# Altium PCB NANO33BLE_V2.0.PcbDoc (part 1 of 2)
Units mm, origin at the board's own origin, x right, y up, seen from the top; angles counter-clockwise.
Board outline 43.18 x 17.78 mm, 4 copper layers (Top, PWR, MID, Bottom), stack 0.925 mm thick; 59 components, 65 nets, 329 pads, 151 vias.
Unrouted connection lines stored in the file: 8.
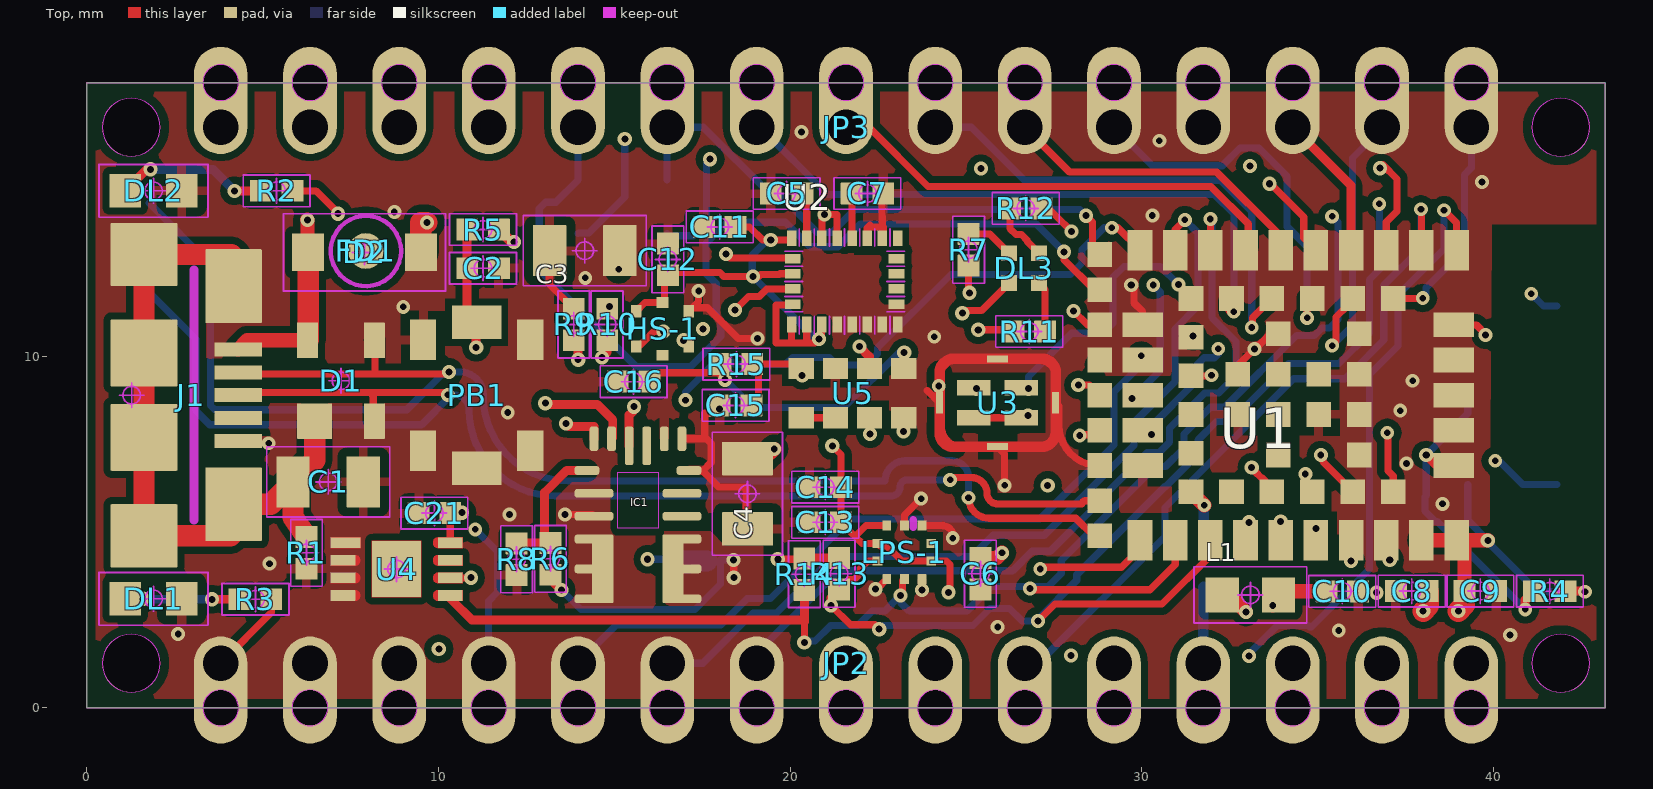
[diagram p0: Top view]
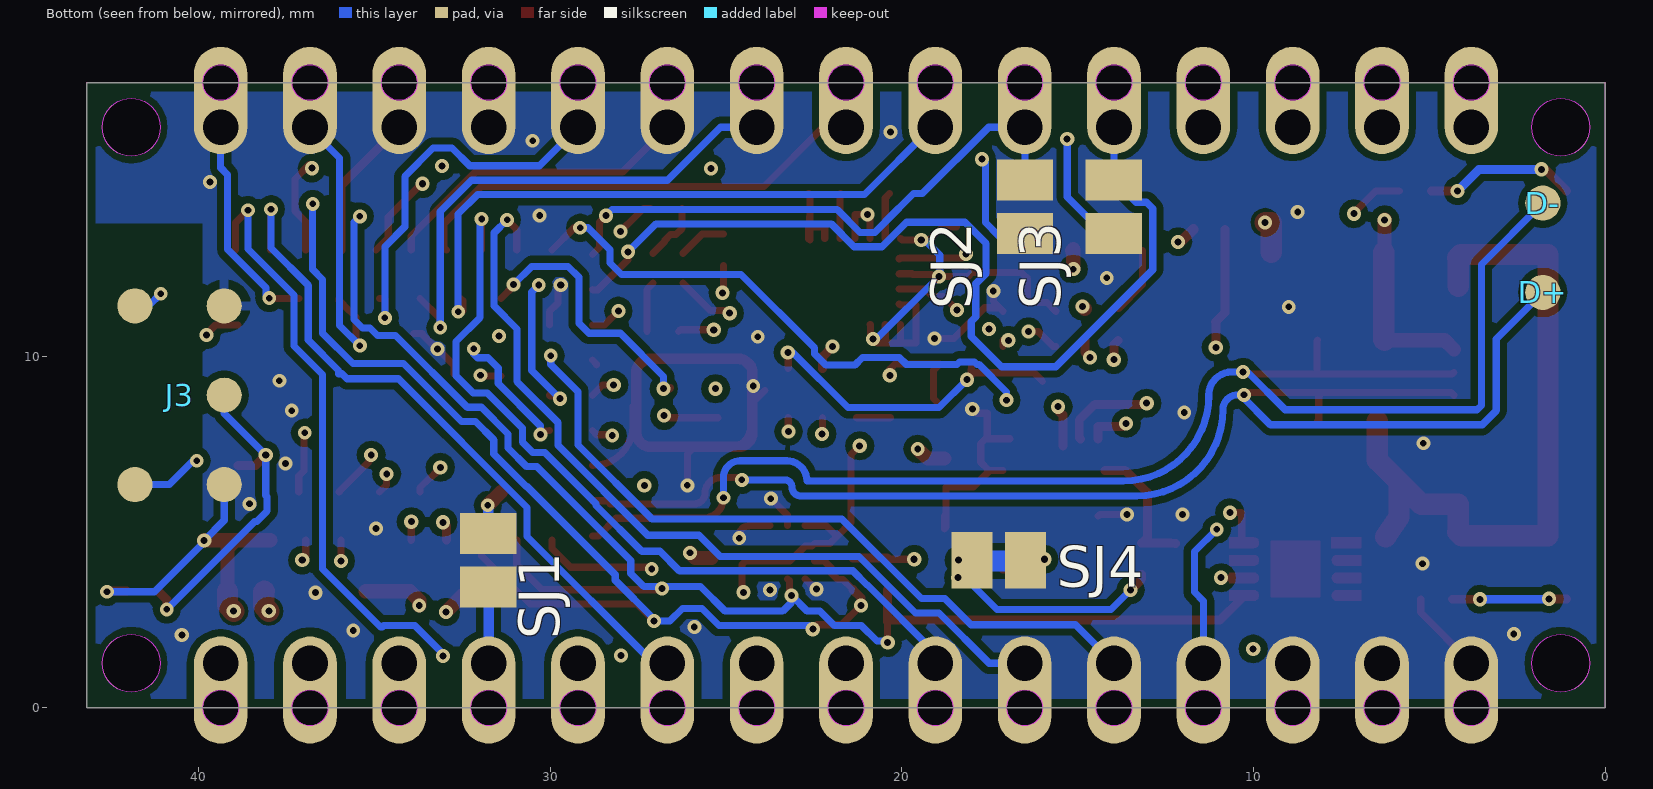
[diagram p1: Bottom view, seen from below]
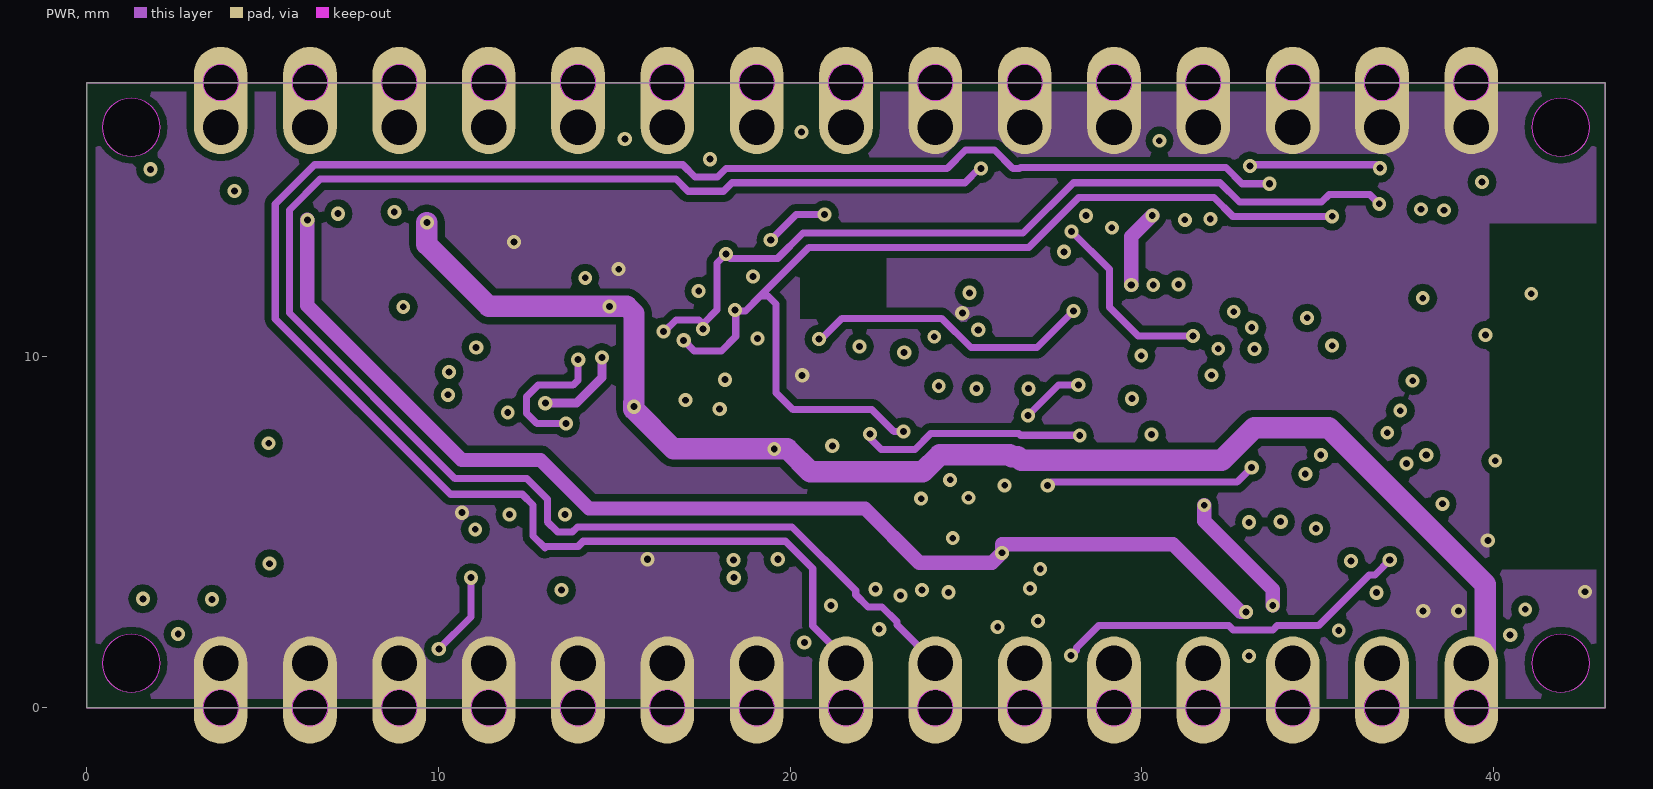
[diagram p2: PWR]
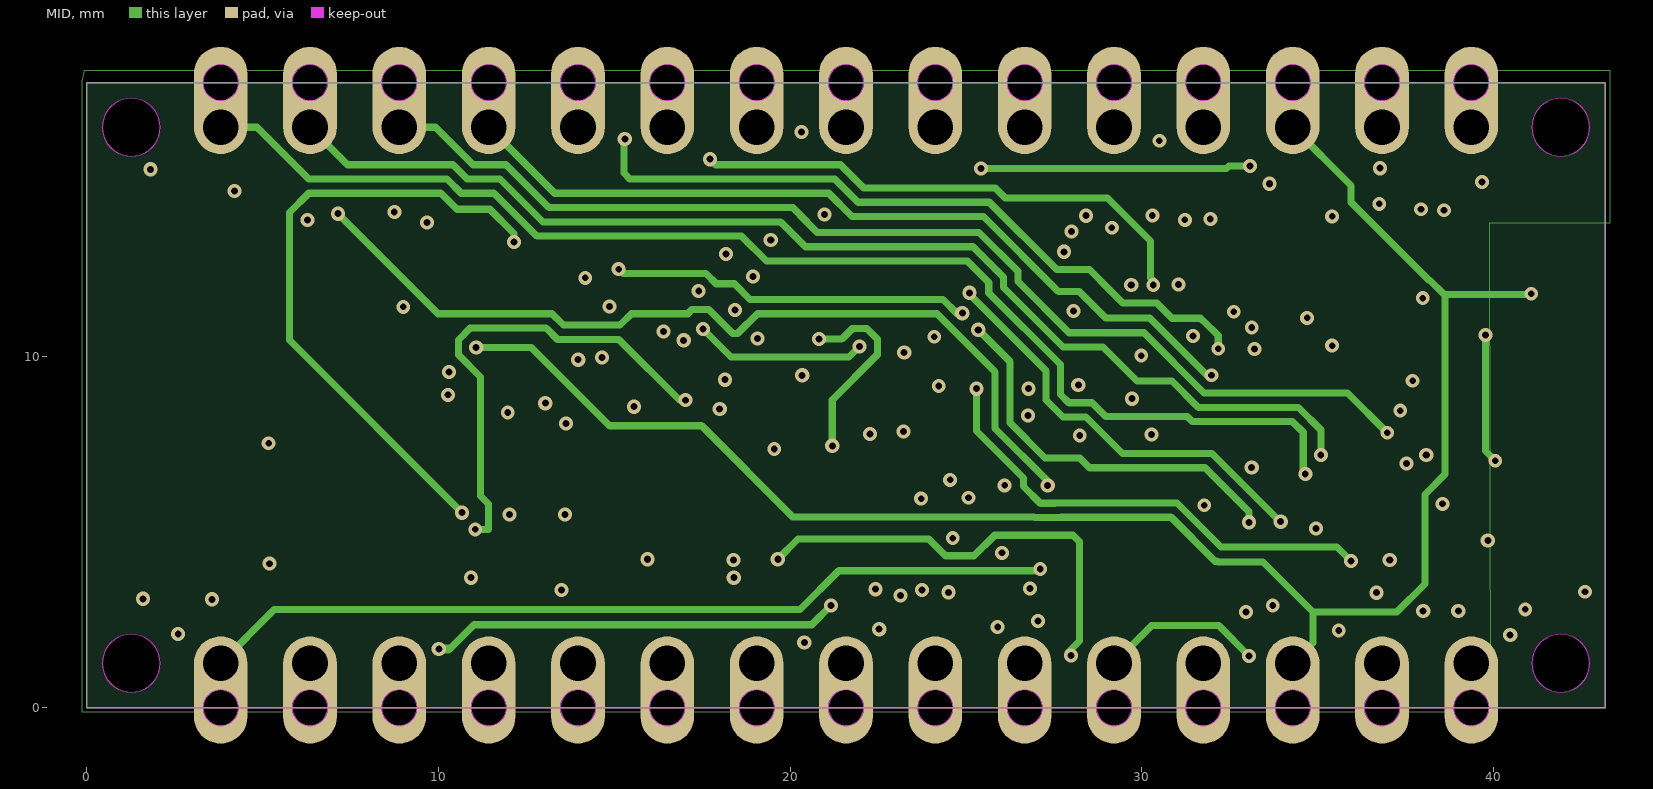
[diagram p3: MID]

## Layer stack, top to bottom
Top Solder: solder mask 0.0102, Solder Resist, Dk 3.5
Top: signal copper 0.035
Dielectric 1: core 0.2, FR-4, Dk 4.8
PWR: signal copper 0.0175
Dielectric2: core 0.3, FR-4, Dk 4.8
MID: signal copper 0.0175
Dielectric3: dielectric 0.32, FR-4, Dk 4.8
Bottom: signal copper 0.035
Bottom Solder: solder mask 0.0102, Solder Resist, Dk 3.5

## Board outline
43.18,0 0,0 0,17.78 43.18,17.78
cut-out: 41.91,0.445 ccw(c41.91,1.27) 42.735,1.27 ccw(c41.91,1.27) 41.91,2.095 ccw(c41.91,1.27) 41.084,1.27 ccw(c41.91,1.27)
cut-out: 41.91,15.684 ccw(c41.91,16.51) 42.735,16.51 ccw(c41.91,16.51) 41.91,17.335 ccw(c41.91,16.51) 41.084,16.51 ccw(c41.91,16.51)
cut-out: 1.27,15.684 ccw(c1.27,16.51) 2.095,16.51 ccw(c1.27,16.51) 1.27,17.335 ccw(c1.27,16.51) 0.445,16.51 ccw(c1.27,16.51)
cut-out: 1.27,0.445 ccw(c1.27,1.27) 2.095,1.27 ccw(c1.27,1.27) 1.27,2.095 ccw(c1.27,1.27) 0.445,1.27 ccw(c1.27,1.27)
cut-out: 13.97,17.272 ccw(c13.97,17.78) 14.478,17.78 ccw(c13.97,17.78) 13.97,18.288 ccw(c13.97,17.78) 13.462,17.78 ccw(c13.97,17.78)
cut-out: 16.51,17.272 ccw(c16.51,17.78) 17.018,17.78 ccw(c16.51,17.78) 16.51,18.288 ccw(c16.51,17.78) 16.002,17.78 ccw(c16.51,17.78)
cut-out: 19.05,17.272 ccw(c19.05,17.78) 19.558,17.78 ccw(c19.05,17.78) 19.05,18.288 ccw(c19.05,17.78) 18.542,17.78 ccw(c19.05,17.78)
cut-out: 11.43,17.272 ccw(c11.43,17.78) 11.938,17.78 ccw(c11.43,17.78) 11.43,18.288 ccw(c11.43,17.78) 10.922,17.78 ccw(c11.43,17.78)
cut-out: 3.81,17.272 ccw(c3.81,17.78) 4.318,17.78 ccw(c3.81,17.78) 3.81,18.288 ccw(c3.81,17.78) 3.302,17.78 ccw(c3.81,17.78)
cut-out: 6.35,17.272 ccw(c6.35,17.78) 6.858,17.78 ccw(c6.35,17.78) 6.35,18.288 ccw(c6.35,17.78) 5.842,17.78 ccw(c6.35,17.78)
cut-out: 8.89,17.272 ccw(c8.89,17.78) 9.398,17.78 ccw(c8.89,17.78) 8.89,18.288 ccw(c8.89,17.78) 8.382,17.78 ccw(c8.89,17.78)
cut-out: 21.59,17.272 ccw(c21.59,17.78) 22.098,17.78 ccw(c21.59,17.78) 21.59,18.288 ccw(c21.59,17.78) 21.082,17.78 ccw(c21.59,17.78)
cut-out: 34.29,17.272 ccw(c34.29,17.78) 34.798,17.78 ccw(c34.29,17.78) 34.29,18.288 ccw(c34.29,17.78) 33.782,17.78 ccw(c34.29,17.78)
cut-out: 36.83,17.272 ccw(c36.83,17.78) 37.338,17.78 ccw(c36.83,17.78) 36.83,18.288 ccw(c36.83,17.78) 36.322,17.78 ccw(c36.83,17.78)
cut-out: 39.37,17.272 ccw(c39.37,17.78) 39.878,17.78 ccw(c39.37,17.78) 39.37,18.288 ccw(c39.37,17.78) 38.862,17.78 ccw(c39.37,17.78)
cut-out: 31.75,17.272 ccw(c31.75,17.78) 32.258,17.78 ccw(c31.75,17.78) 31.75,18.288 ccw(c31.75,17.78) 31.242,17.78 ccw(c31.75,17.78)
cut-out: 24.13,17.272 ccw(c24.13,17.78) 24.638,17.78 ccw(c24.13,17.78) 24.13,18.288 ccw(c24.13,17.78) 23.622,17.78 ccw(c24.13,17.78)
cut-out: 26.67,17.272 ccw(c26.67,17.78) 27.178,17.78 ccw(c26.67,17.78) 26.67,18.288 ccw(c26.67,17.78) 26.162,17.78 ccw(c26.67,17.78)
cut-out: 29.21,17.272 ccw(c29.21,17.78) 29.718,17.78 ccw(c29.21,17.78) 29.21,18.288 ccw(c29.21,17.78) 28.702,17.78 ccw(c29.21,17.78)
cut-out: 29.21,-0.508 ccw(c29.21,0) 29.718,0 ccw(c29.21,0) 29.21,0.508 ccw(c29.21,0) 28.702,0 ccw(c29.21,0)
cut-out: 26.67,-0.508 ccw(c26.67,0) 27.178,0 ccw(c26.67,0) 26.67,0.508 ccw(c26.67,0) 26.162,0 ccw(c26.67,0)
cut-out: 24.13,-0.508 ccw(c24.13,0) 24.638,0 ccw(c24.13,0) 24.13,0.508 ccw(c24.13,0) 23.622,0 ccw(c24.13,0)
cut-out: 31.75,-0.508 ccw(c31.75,0) 32.258,0 ccw(c31.75,0) 31.75,0.508 ccw(c31.75,0) 31.242,0 ccw(c31.75,0)
cut-out: 39.37,-0.508 ccw(c39.37,0) 39.878,0 ccw(c39.37,0) 39.37,0.508 ccw(c39.37,0) 38.862,0 ccw(c39.37,0)
cut-out: 36.83,-0.508 ccw(c36.83,0) 37.338,0 ccw(c36.83,0) 36.83,0.508 ccw(c36.83,0) 36.322,0 ccw(c36.83,0)
cut-out: 34.29,-0.508 ccw(c34.29,0) 34.798,0 ccw(c34.29,0) 34.29,0.508 ccw(c34.29,0) 33.782,0 ccw(c34.29,0)
cut-out: 21.59,-0.508 ccw(c21.59,0) 22.098,0 ccw(c21.59,0) 21.59,0.508 ccw(c21.59,0) 21.082,0 ccw(c21.59,0)
cut-out: 8.89,-0.508 ccw(c8.89,0) 9.398,0 ccw(c8.89,0) 8.89,0.508 ccw(c8.89,0) 8.382,0 ccw(c8.89,0)
cut-out: 6.35,-0.508 ccw(c6.35,0) 6.858,0 ccw(c6.35,0) 6.35,0.508 ccw(c6.35,0) 5.842,0 ccw(c6.35,0)
cut-out: 3.81,-0.508 ccw(c3.81,0) 4.318,0 ccw(c3.81,0) 3.81,0.508 ccw(c3.81,0) 3.302,0 ccw(c3.81,0)
cut-out: 11.43,-0.508 ccw(c11.43,0) 11.938,0 ccw(c11.43,0) 11.43,0.508 ccw(c11.43,0) 10.922,0 ccw(c11.43,0)
cut-out: 19.05,-0.508 ccw(c19.05,0) 19.558,0 ccw(c19.05,0) 19.05,0.508 ccw(c19.05,0) 18.542,0 ccw(c19.05,0)
cut-out: 16.51,-0.508 ccw(c16.51,0) 17.018,0 ccw(c16.51,0) 16.51,0.508 ccw(c16.51,0) 16.002,0 ccw(c16.51,0)
cut-out: 13.97,-0.508 ccw(c13.97,0) 14.478,0 ccw(c13.97,0) 13.97,0.508 ccw(c13.97,0) 13.462,0 ccw(c13.97,0)

## Design rules (kind name [scope] priority, off if disabled: settings)
BoardOutlineClearance mdCopperDimension [All] p1: gap=0.254 ignorepadtopadclearanceinfootprint=FALSE except(0: Arc-SplitContinuation Track-SplitContinuation SMDPad-SplitContinuation THPad-SplitContinuation Via-SplitContinuation Fill-SplitContinuation Poly-SplitContinuation Region-SplitContinuation Text-SplitContinuation)
Clearance "Clearance (Same Net)" [All] p1: gap=0.203 ignorepadtopadclearanceinfootprint=FALSE
Clearance [All] p2: gap=0.203 ignorepadtopadclearanceinfootprint=FALSE
HoleSize HoleSize_For_NetClass_usb [InNetClass('usb')] p1: absolutevalues=TRUE maxlimit=0.19 minlimit=0.19 maxpercent=80.000 minpercent=20.000
HoleSize [All] p2: absolutevalues=TRUE maxlimit=2540 minlimit=0.19 maxpercent=80.000 minpercent=20.000
HoleToHoleClearance mdDrill [All] p1: gap=0.203 allowstackedmicrovias=TRUE
MinimumSolderMaskSliver [All] p1 off: minsoldermaskwidth=0.254
PasteMaskExpansion Expansion_SMDPaste_OFF [InPadClass('SMDPaste_OFF')] p1: expansion=0
PasteMaskExpansion mlMinCreamFrame [All] p2: expansion=0
PolygonConnect PolygonConnect_For_PolygonThermal_ON_Width100000_Gap100000 [InPolygonClass('PolygonThermal_ON_Width100000_Gap100000') vs Not IsVia] p1: connectstyle=Relief reliefconductorwidth=0.254 reliefentries=4 polygonreliefangle="90 Angle" airgapwidth=0.254
PolygonConnect PolygonConnect_For_PolygonThermal_OFF [InPolygonClass('PolygonThermal_OFF')] p2: connectstyle=Direct reliefconductorwidth=0.254 reliefentries=4 polygonreliefangle="90 Angle" airgapwidth=0.254
PolygonConnect ThermalVias [IsVia] p3: connectstyle=Direct reliefconductorwidth=0.254 reliefentries=4 polygonreliefangle="90 Angle" airgapwidth=0.254
PolygonConnect [All] p4: connectstyle=Relief reliefconductorwidth=0.254 reliefentries=4 polygonreliefangle="90 Angle" airgapwidth=0.254
RoutingVias [All] p1: holewidth=0.19 width=0.393 viastyle="Through Hole" minholewidth=0.19 minwidth=0.393 maxholewidth=2.54 maxwidth=2.54
SolderMaskExpansion Expansion_SMDSolder_OFF [InPadClass('SMDSolder_OFF')] p1: expansion=0 istentingtop=FALSE
SolderMaskExpansion mlMinStopFrame [All] p2: expansion=0.102 istentingtop=FALSE
Width Width_For_NetClass_usb [InNetClass('usb')] p1: maxlimit=0.254 minlimit=0.19 preferedwidth=0.19
Width [All] p2: maxlimit=254 minlimit=0.203 preferedwidth=0.203
26 further rules are at their usual default settings.

## Classes and differential pairs
polygon class PolygonThermal_ON_Width100000_Gap100000: Polygon_1_Net_+3V3 Polygon_1_Net_GND Polygon_2_Net_GND Polygon_3_Net_GND
polygon class PolygonThermal_OFF: Polygon_1_Net_N$16
pad class SMDSolder_OFF: IC1-1 IC1-2 IC1-3 IC1-4 IC1-5 IC1-6 IC1-7 IC1-8 IC1-9 IC1-10 IC1-11 IC1-12 IC1-13 IC1-14 IC1-15 IC1-16 IC1-17 IC1-18 U4-1 U4-2 U4-3 U4-4 U4-5 U4-6 U4-7 U4-8 U4-9
pad class SMDPaste_OFF: D+-X D--X FD1-P$1 J3-1 J3-2 J3-3 J3-5 J3-6 U4-1 U4-2 U4-3 U4-4 U4-5 U4-6 U4-7 U4-8 U4-9
net class usb: USB_N USB_P

## Components (designator, comment, footprint, x,y, rotation, side; value= is the part's Value field where it differs from the comment)
C1 "" 0805-R2013X50N 6.867,6.425 r0 top
C2 "" 0402-1005X55N 11.27,12.5 r0 top
C3 "" 0805-R2013X50N 14.163,13 r180 top
C4 "" 0805-R2013X50N 18.788,6.088 r270 top
C5 "" 0402-1005X55N 19.9,14.625 r0 top
C6 "" 0402-1005X55N 25.412,3.813 r90 top
C7 "" 0402-1005X55N 22.2,14.625 r180 top
C8 "" 0402-1005X55N 37.675,3.32 r180 top
C9 "" 0402-1005X55N 39.625,3.32 r180 top
C10 "" 0402-1005X55N 35.7,3.312 r180 top
C11 "" 0402-1005X55N 18,13.675 r0 top
C12 "" 0402-1005X55N 16.525,12.75 r270 top
C13 "" 0402-1005X55N 21,5.275 r0 top
C14 "" 0402-1005X55N 21,6.275 r0 top
C15 "" 0402-1005X55N 18.45,8.6 r180 top
C16 "" 0402-1005X55N 15.55,9.275 r180 top
C21 "" 0402-1005X55N 9.887,5.537 r180 top
D1 "" SOT190P230X110-4N 7.23,9.3 r90 top
D2 "PMEG6020" SODFL3517X110N 7.9,12.95 r180 top
D+ "" TP-1.00MM 1.778,11.811 r0 top
D- "" TP-1.00MM 1.778,14.351 r0 top
DL1 "" LEDC1608X80N-AK 1.9,3.1 r180 top
DL2 "" LEDC1608X80N-AK 1.9,14.7 r180 top
DL3 "" SMLP34RGB2W 26.65,12.5 r180 top
FD1 "" FD-1-1.5 7.94,12.99 r0 top
FRAME1 "" FRAME -0.15,-3.35 r0 top
HS-1 "" HTS221 16.375,10.775 r0 top
IC1 "MPM3610" MPM3610 15.675,5.2 r0 top
J1 "" ZX62-AB-5PA 1.28,8.89 r270 top
J3 "" 2X03-TP1 40.538,8.89 r90 top
JP2 "" 1X15-CASTELL 21.59,1.27 r0 top
JP3 "" 1X15-CASTELL 21.59,16.51 r180 top
L1 "" 0603-1608X90N 33.088,3.213 r0 top
LPS-1 "" LPS22H 23.25,4.425 r270 top
PB1 "" C&K_PTS820_NO_HOLES 11.09,8.89 r90 top
R1 "" 0402-1005X55N 6.25,4.407 r90 top
R2 "" 0402-1005X55N 5.4,14.7 r0 top
R3 "" 0402-1005X55N 4.8,3.088 r0 top
R4 "" 0402-1005X55N 41.6,3.317 r0 top
R5 "" 0402-1005X55N 11.27,13.6 r0 top
R6 "" 0402-1005X55N 13.187,4.237 r270 top
R7 "" 0402-1005X55N 25.075,13.025 r90 top
R8 "" 0402-1005X55N 12.225,4.225 r90 top
R9 "" 0402-1005X55N 13.85,10.9 r270 top
R10 "" 0402-1005X55N 14.8,10.9 r90 top
R11 "" 0402-1005X55N 26.8,10.7 r0 top
R12 "" 0402-1005X55N 26.7,14.2 r180 top
R13 "" 0402-1005X55N 21.395,3.813 r90 top
R14 "" 0402-1005X55N 20.405,3.8 r90 top
R15 "" 0402-1005X55N 18.475,9.775 r0 top
SJ1 "DNP" SJ 31.762,4.2 r270 bottom
SJ2 "DNP" SJ 16.5,14.25 r90 bottom
SJ3 "DNP" SJ 13.975,14.25 r90 bottom
SJ4 "DNP" SJ 17.25,4.2 r0 bottom
U1 "" NINA-B3X 34.9,8.89 r180 top
U2 "LSM9DS1" LSM9DS1_TEMP_LGA24-8X4 21.55,12.125 r0 top
U3 "" HCLGA 25.9,8.675 r180 top
U4 "" SON50P300X200X60-9N-EP160X140 8.813,3.945 r270 top
U5 "" APDS9960 21.775,8.95 r180 top

## Footprints (in the part's own frame and the unit in brackets; to place one, negate y for a bottom-side part, rotate by r counter-clockwise, add the part's x,y. Pads: shape width x height; smd on the part's side, far side on the other; paste and mask are expansions set on the pad)
1X15-CASTELL [mil] "1X15-CASTELL"
  oval 60x120 hole 40 copper offset 0,-30: 1(-700,0) 2(-600,0) 3(-500,0) 4(-400,0) 5(-300,0) 6(-200,0) 7(-100,0) 8(0,0) 9(100,0) 10(200,0) 11(300,0) 12(400,0) 13(500,0) 14(600,0) 15(700,0)
2X03-TP1 [mm] "2X03-TP1"
  rrect100% 1x1 smd far side paste+0: 1(-2.54,1.27) 2(-2.54,-1.27) 3(0,1.27) 5(2.54,1.27) 6(2.54,-1.27)
0402-1005X55N [mm] "0402-1005X55N"
  rrect3% 0.62x0.62 smd: 1(-0.45,0) 2(0.45,0)
  Top keep-out circle w0.05: c0,0 r0.25
  Top keep-out lines w0.05: -0.35,0 0.35,0 ; 0,-0.35 0,0.35 ; -0.95,-0.45 -0.95,0.45 0.95,0.45 0.95,-0.45 -0.95,-0.45
0603-1608X90N [mm] "0603-1608X90N"
  rrect3% 0.95x1 smd: 1(-0.8,0) 2(0.8,0)
  Top keep-out circle w0.05: c0,0 r0.25
  Top keep-out lines w0.05: -0.35,0 0.35,0 ; 0,-0.35 0,0.35 ; -1.6,-0.8 1.6,-0.8 1.6,0.8 -1.6,0.8 -1.6,-0.8
0805-R2013X50N [mm] "0805-R2013X50N"
  rrect3% 0.95x1.45 smd: 1(-1,0) 2(1,0)
  Top keep-out circle w0.05: c0,0 r0.25
  Top keep-out lines w0.05: -0.35,0 0.35,0 ; 0,-0.35 0,0.35 ; -1.75,-1 -1.75,1 1.75,1 1.75,-1 -1.75,-1
APDS9960 [mm] "APDS9960"
  rect 0.72x0.6 smd: 1(-1.455,0.7) 2(-0.485,0.7) 3(0.485,0.7) 4(1.455,0.7) 5(1.455,-0.7) 6(0.485,-0.7) 7(-0.485,-0.7) 8(-1.455,-0.7)
C&K_PTS820_NO_HOLES [mm] "C&K_PTS820_NO_HOLES"
  rect 1.15x0.75 smd: 1(-1.575,1.525) 2(-1.575,-1.525) 3(1.575,1.525) 4(1.575,-1.525)
  rect 0.95x1.4 smd: 5(-2.075,0) 6(2.075,0)
FD-1-1.5 [mil] "FD-1-1.5"
  rrect100% 40x40 smd paste+0: P$1(0,0)
  Top keep-out circle w5: c0,0 r39.37
FRAME [mm] "FRAME"
HCLGA [mm] "HCLGA"
  rect 0.95x0.45 smd: 1(0.675,0.425) 2(-0.675,0.425) 3(-0.675,-0.425) 4(0.675,-0.425)
  rect 0.6x0.2 smd: GND(0,1.25) GND@2(0,-1.25)
  rect 0.2x0.6 smd: GND@3(-1.65,0) GND@4(1.65,0)
  Top lines w0.3: 1.65,0.775 1.65,-0.775 ; 1.65,0.575 1.65,0.85 ccw(c1.25,0.85) 1.25,1.25 -1.25,1.25 ccw(c-1.252,0.852) -1.65,0.855 -1.65,0.58 ; 1.65,-0.57 1.65,-0.845 cw(c1.248,-0.847) 1.25,-1.25 -0.975,-1.25 ; -0.98,-1.25 -1.255,-1.25 cw(c-1.255,-0.85) -1.655,-0.85 -1.655,-0.575 ; -1.65,0.775 -1.65,-0.775
HTS221 [mm] "HTS221"
  rect 0.3x0.35 smd: P$1.VDD(-0.75,0.5) P$2.SCL/SPC(-0.75,-0.5) P$4.SDA/SDI/SDO(0.75,-0.5) P$5.GND(0.75,0.5)
  rect 0.35x0.3 smd: P$3.DRDY(0,-0.75) P$6.CS(0,0.75)
LEDC1608X80N-AK [mil] "LEDC1608X80N-AK"
  rrect3% 35.43x37.4 smd: A(31.5,0) C(-31.5,0)
  Top keep-out circle w1.97: c0,0 r9.84
  Top keep-out lines w1.97: 13.78,0 -13.78,0 ; 0,13.78 0,-13.78 ; 61.02,29.53 -61.02,29.53 -61.02,-29.53 61.02,-29.53 61.02,29.53
LPS22H [mm] "LPS22H"
  rect 0.25x0.275 smd: 1(-0.25,-0.763) 2(0.25,-0.763) 6(0.25,0.763) 7(-0.25,0.763)
  rect 0.275x0.25 smd: 3(0.763,-0.5) 4(0.763,0) 5(0.763,0.5) 8(-0.763,0.5) 9(-0.763,0) 10(-0.763,-0.5)
LSM9DS1_TEMP_LGA24-8X4 [mm] "LSM9DS1_TEMP_LGA24-8X4"
  rect 0.27x0.45 smd: 1(-1.505,1.225) 6(-1.505,-1.225) 7(-1.075,-1.225) 8(-0.645,-1.225) 9(-0.215,-1.225) 10(0.215,-1.225) 11(0.645,-1.225) 12(1.075,-1.225) 13(1.505,-1.225) 18(1.505,1.225) 19(1.075,1.225) 20(0.645,1.225) 21(0.215,1.225) 22(-0.215,1.225) 23(-0.645,1.225) 24(-1.075,1.225)
  rect 0.45x0.27 smd: 2(-1.475,0.645) 3(-1.475,0.215) 4(-1.475,-0.215) 5(-1.475,-0.645) 14(1.475,-0.645) 15(1.475,-0.215) 16(1.475,0.215) 17(1.475,0.645)
  Top keep-out lines w0.051: -1.7,-0.86 -1.2,-0.86 ; -1.7,-0.43 -1.2,-0.43 ; -1.7,0 -1.2,0 ; -1.7,0.43 -1.2,0.43 ; -1.7,0.86 -1.2,0.86 ; -1.29,-1.5 -1.29,-1 ; -1.29,1 -1.29,1.5 ; -0.86,-1.5 -0.86,-1 ; -0.86,1 -0.86,1.5 ; -0.43,-1.5 -0.43,-1 ; -0.43,1 -0.43,1.5 ; 0,-1.5 0,-1 ; 0,1 0,1.5 ; 0.43,-1.5 0.43,-1 ; 0.43,1 0.43,1.5 ; 0.86,-1.5 0.86,-1 ; 0.86,1 0.86,1.5 ; 1.2,-0.86 1.7,-0.86 ; 1.2,-0.43 1.7,-0.43 ; 1.2,0 1.7,0 ; 1.2,0.43 1.7,0.43 ; 1.2,0.86 1.7,0.86 ; 1.29,-1.5 1.29,-1 ; 1.29,1 1.29,1.5
MPM3610 [mm] "MPM3610"
  rrect60% 0.7x0.25 smd mask+0: 1(-1.45,1.55) 4(-1.45,-0.4) 5(-1.45,-1.25) 6(-1.45,-2.1) 7(1.45,-2.1) 8(1.45,-1.25) 9(1.45,-0.4) 12(1.45,1.55)
  rrect60% 1.1x0.25 smd mask+0: 2(-1.25,0.9) 3(-1.25,0.25) 10(1.25,0.25) 11(1.25,0.9)
  rrect60% 0.25x0.7 smd mask+0: 13(1.25,2.45) 14(0.75,2.45) 17(-0.75,2.45) 18(-1.25,2.45)
  rrect60% 0.25x1.1 smd mask+0: 15(0.25,2.25) 16(-0.25,2.25)
  rrect10% 0.6x1.95 smd: 19(-1,-1.25) 20(1,-1.25)
  Top keep-out region: -0.575,-0.1 -0.575,1.5 0.575,1.5 0.575,-0.1
NINA-B3X [mm] "NINA-B3X"
  rect 0.7x1.15 smd: 1(4.95,4.125) 2(3.95,4.125) 3(2.95,4.125) 4(1.95,4.125) 5(0.95,4.125) 6(-0.05,4.125) 7(-1.05,4.125) 8(-2.05,4.125) 9(-3.05,4.125) 10(-4.05,4.125) 16(-4.05,-4.125) 17(-3.05,-4.125) 18(-2.05,-4.125) 19(-1.05,-4.125) 20(-0.05,-4.125) 21(0.95,-4.125) 22(1.95,-4.125) 23(2.95,-4.125) 24(3.95,-4.125) 25(4.95,-4.125)
  rect 1.15x0.7 smd: 11(-3.975,2) 12(-3.975,1) 13(-3.975,0) 14(-3.975,-1) 15(-3.975,-2) 26(4.875,-2) 27(4.875,-1) 28(4.875,0) 29(4.875,1) 30(4.875,2)
  rect 0.7x0.7 smd: 31(3.5,2.75) 32(2.35,2.75) 33(1.2,2.75) 34(0.05,2.75) 35(-1.1,2.75) 36(-2.25,2.75) 37(-2.25,-2.75) 38(-1.1,-2.75) 39(0.05,-2.75) 40(1.2,-2.75) 41(2.35,-2.75) 42(3.5,-2.75) 43(3.5,-1.65) 44(3.5,-0.55) 45(3.5,0.55) 46(3.5,1.65) 47(6.1,-4) 48(6.1,-3) 49(6.1,-2) 50(6.1,-1) 51(6.1,0) 52(6.1,1) 53(6.1,2) 54(6.1,3) 55(6.1,4) GND@1(-1.28,1.7) GND@2(-1.28,0.55) GND@3(-1.28,-0.6) GND@4(-1.28,-1.75) GND@5(-0.13,0.55) GND@6(-0.13,-0.6) GND@7(1.02,1.7) GND@8(1.02,0.55) GND@9(1.02,-0.6) GND@10(1.02,-1.75) GND@11(2.17,0.55) GND@12(2.17,-0.6)
SJ [mil] "SJ"
  rect 46x63 smd: 1(-30,0) 2(30,0)
SMLP34RGB2W [mm] "SMLP34RGB2W"
  rect 0.45x0.45 smd: 1(0.425,0.425) 2(0.425,-0.425) 3(-0.425,-0.425) 4(-0.425,0.425)
SODFL3517X110N [mm] "SODFL3517X110N"
  rrect2% 0.91x1.07 smd: A(1.605,0) C(-1.605,0)
  Top keep-out circle w0.05: c0,0 r0.25
  Top keep-out lines w0.05: 0.35,0 -0.35,0 ; 0,0.35 0,-0.35 ; 2.3,1.1 2.3,-1.1 -2.3,-1.1 -2.3,1.1 2.3,1.1
SON50P300X200X60-9N-EP160X140 [mm] "SON50P300X200X60-9N-EP160X140"
  rrect3% 0.3x0.85 smd paste+0 mask+0: 1(-0.75,-1.45)
  rrect3% 0.3x0.7 smd paste+0 mask+0: 2(-0.25,-1.525) 3(0.25,-1.525) 4(0.75,-1.525) 5(0.75,1.525) 6(0.25,1.525) 7(-0.25,1.525) 8(-0.75,1.525)
  rrect3% 1.6x1.4 smd paste+0 mask+0: 9(0,0)
  Top region: -0.6,1.875 -0.6,1.175 -0.611,1.121 -0.641,1.076 -0.686,1.046 -0.74,1.035 -0.74,1.035 -0.75,1.035 -0.76,1.035 -0.814,1.046 -0.859,1.076 -0.889,1.121 -0.9,1.175 -0.9,1.175 -0.9,1.875 -0.6,1.875
  Top region: -0.1,1.875 -0.1,1.175 -0.111,1.121 -0.141,1.076 -0.186,1.046 -0.24,1.035 -0.24,1.035 -0.25,1.035 -0.26,1.035 -0.314,1.046 -0.359,1.076 -0.389,1.121 -0.4,1.175 -0.4,1.175 -0.4,1.875 -0.1,1.875
  Top region: 0.4,1.875 0.4,1.175 0.389,1.121 0.359,1.076 0.314,1.046 0.26,1.035 0.26,1.035 0.25,1.035 0.24,1.035 0.186,1.046 0.141,1.076 0.111,1.121 0.1,1.175 0.1,1.175 0.1,1.875 0.4,1.875
  Top region: 0.9,1.875 0.9,1.175 0.889,1.121 0.859,1.076 0.814,1.046 0.76,1.035 0.76,1.035 0.75,1.035 0.74,1.035 0.686,1.046 0.641,1.076 0.611,1.121 0.6,1.175 0.6,1.175 0.6,1.875 0.9,1.875
  Top region: 0.6,-1.875 0.6,-1.175 0.611,-1.121 0.641,-1.076 0.686,-1.046 0.74,-1.035 0.74,-1.035 0.75,-1.035 0.76,-1.035 0.814,-1.046 0.859,-1.076 0.889,-1.121 0.9,-1.175 0.9,-1.175 0.9,-1.875 0.6,-1.875
  Top region: 0.1,-1.875 0.1,-1.175 0.111,-1.121 0.141,-1.076 0.186,-1.046 0.24,-1.035 0.24,-1.035 0.25,-1.035 0.26,-1.035 0.314,-1.046 0.359,-1.076 0.389,-1.121 0.4,-1.175 0.4,-1.175 0.4,-1.875 0.1,-1.875
  Top region: -0.4,-1.875 -0.4,-1.175 -0.389,-1.121 -0.359,-1.076 -0.314,-1.046 -0.26,-1.035 -0.26,-1.035 -0.25,-1.035 -0.24,-1.035 -0.186,-1.046 -0.141,-1.076 -0.111,-1.121 -0.1,-1.175 -0.1,-1.175 -0.1,-1.875 -0.4,-1.875
  Top region: -0.902,-1.873 -0.902,-1.022 -0.597,-1.022 -0.597,-1.873 -0.902,-1.873
  Top region: 0.8,0.7 -0.8,0.7 -0.8,-0.7 0.8,-0.7 0.8,0.7
  Top keep-out circle w0.05: c0,0 r0.25
  Top keep-out lines w0.05: 0,-0.35 0,0.35 ; 0.35,0 -0.35,0
SOT190P230X110-4N [mm] "SOT190P230X110-4N"
  rrect3% 1x1 smd: 1(-1.15,0.75)
  rrect3% 1x0.6 smd: 2(-1.15,-0.95) 3(1.15,-0.95) 4(1.15,0.95)
  Top keep-out circle w0.05: c0,0 r0.25
  Top keep-out lines w0.05: 0,0.35 0,-0.35 ; -0.35,0 0.35,0
TP-1.00MM [mm] "TP-1.00MM"
  rrect100% 1x1 smd far side paste+0: X(0,0)
ZX62-AB-5PA [mm] "ZX62-AB-5PA"
  rrect3% 0.4x1.35 smd: 1(-1.3,3.025) 2(-0.65,3.025) 3(0,3.025) 4(0.65,3.025) 5(1.3,3.025)
  rrect3% 2.1x1.6 smd: 6(3.1,2.9) 11(-3.1,2.9)
  rrect3% 1.8x1.9 smd: 7(4,0.35) 10(-4,0.35)
  rrect3% 1.9x1.9 smd: 8(1.2,0.35) 9(-1.2,0.35)
  Top keep-out circle w0.05: c0,0 r0.25
  Top keep-out lines w0.05: 0,-0.35 0,0.35 ; 0.35,0 -0.35,0
  Top keep-out lines w0.254: 3.556,1.778 -3.556,1.778

## Part data
C1 C3 C4: library part 0805-R2013X50N, PackageName=0805-R2013X50N
C2 C5 C6 C7 C8 C9 C10 C11 C12 C13 C14 C15 C16 C21 R1 R2 R3 R4 R5 R6 R7 R8 R9 R10 R11 R12 R13 R14 R15: library part 0402-1005X55N, PackageName=0402-1005X55N
D1: library part SOT190P230X110-4N, PackageName=SOT190P230X110-4N
D2: library part SODFL3517X110N, PackageName=SODFL3517X110N
D+ D-: library part TP-1.00MM, PackageName=TP-1.00MM
DL1 DL2: library part LEDC1608X80N-AK, PackageName=LEDC1608X80N-AK
DL3: library part SMLP34RGB2W, PackageName=SMLP34RGB2W
FD1: library part FD-1-1.5, PackageName=FD-1-1.5
FRAME1: library part FRAME, PackageName=FRAME
HS-1: library part HTS221, PackageName=HTS221
J1: library part ZX62-AB-5PA, PackageName=ZX62-AB-5PA
J3: library part 2X03-TP1, PackageName=2X03-TP1
JP2 JP3: library part 1X15-CASTELL, PackageName=1X15-CASTELL
L1: library part 0603-1608X90N, PackageName=0603-1608X90N
LPS-1: library part LPS22H, PackageName=LPS22H
PB1: library part C&K_PTS820_NO_HOLES, PackageName=C&K_PTS820_NO_HOLES
SJ1 SJ2 SJ3 SJ4: library part SJ, PackageName=SJ
U1: library part NINA-B3X, PackageName=NINA-B3X
U2: library part LSM9DS1_TEMP_LGA24-8X4, PackageName=LSM9DS1_TEMP_LGA24-8X4
U3: library part HCLGA, PackageName=HCLGA
U4: library part SON50P300X200X60-9N-EP160X140, PackageName=SON50P300X200X60-9N-EP160X140
U5: library part APDS9960, PackageName=APDS9960
IC1: PackageName=MPM3610

## Free pads (board coordinates)
  round 1.651 hole 1.651 unplated: MH1(1.27,16.51) MH2(1.27,1.27) MH3(41.91,1.27) MH4(41.91,16.51)
  round 1.016 hole 1.016 unplated: MH1(3.81,17.78) MH1(39.37,0) MH2(6.35,17.78) MH2(36.83,0) MH3(8.89,17.78) MH3(34.29,0) MH4(11.43,17.78) MH4(31.75,0) MH5(13.97,17.78) MH5(29.21,0) MH6(16.51,17.78) MH6(26.67,0) MH7(19.05,17.78) MH7(24.13,0) MH8(21.59,0) MH8(21.59,17.78) MH9(19.05,0) MH9(24.13,17.78) MH10(16.51,0) MH10(26.67,17.78) MH11(13.97,0) MH11(29.21,17.78) MH12(11.43,0) MH12(31.75,17.78) MH13(8.89,0) MH13(34.29,17.78) MH14(6.35,0) MH14(36.83,17.78) MH15(3.81,0) MH15(39.37,17.78)

## Via types
v1: diameter 0.403/0.403/0.403/0.403 (per signal layer), hole 0.2, Top to Bottom, 86 vias
v2: diameter 0.393/0.393/0.393/0.393 (per signal layer), hole 0.19, Top to Bottom, 65 vias

## Nets (pads, with @x,y where several pads share a name; then routed paths per layer and width w, separated by ;. In a path a pad name is that pad's centre, name@x,y a point inside that pad or via, vN(x,y) a via of type N, cw(c..) or ccw(c..) an arc to the next point about the centre after c; other vN are vias at no path point)
33: 
+3V3: C3.1 C8.1 C9.2 C15.1 C21.1 DL3.1 J3.1 JP2.2 R4.2 R5.2 R15.2 SJ4.1 U1.9 U1.10 U4.8 U5.5 | length 46.4
  Top w0.203: U4.8@10.338,4.695 C21.1@10.338,5.537 10.35,5.55 v1(10.675,5.55) ; C15.1@18.9,8.6 19.1,8.8 19.1,9.6 R15.2@18.925,9.775 20.195,9.775 U5.5@20.32,9.65 20.345,9.625 v1(20.345,9.456) ; v1(24.896,11.221) 24.896,11.24 24.95,11.294 25.444,11.294 DL3.1@26.225,12.075
  Top w0.254: R4.2@42.05,3.317 42.583,3.317 v2(42.6,3.3)
  Top w0.305: R5.2@11.72,13.6 12.07,13.25 v1(12.15,13.25)
  Top w0.406: v2(15.125,12.475) 15.125,13.038 C3.1@15.163,13 ; U1.9@37.95,4.765 U1.10@38.95,4.765 ; C9.2@39.175,3.32 39.175,4.54 U1.10@38.95,4.765 ; v1(39.838,4.763) 39.835,4.765 U1.10@38.95,4.765
  Top w0.61: v1(38,2.75) 38.15,2.9 38.15,3.295 C8.1@38.125,3.32 ; v1(39,2.75) 39.175,2.925 C9.2@39.175,3.32
  MID w0.203: v1(10.675,5.55) 5.769,10.456 5.769,14.085 6.314,14.63 10.077,14.63 10.529,14.179 11.463,14.179 12.15,13.491 v1(12.15,13.25) ; v2(15.125,12.475) 15.249,12.352 17.608,12.352 17.901,12.058 18.417,12.058 18.863,11.613 24.346,11.613 24.737,11.221 v1(24.896,11.221)
  Bottom w0.203: v2(15.125,12.475) v2@15.206,12.394 ; v1(15.95,4.225) 16.463,4.225 SJ4.1@16.488,4.2 ; J3.1@39.268,6.35 39.268,5.332 v1(39.838,4.763) 39.838,4.712 41.25,3.3 v2(42.6,3.3)
AIN0_A5/SCL: JP2.9 U1.18 | length 60.8
  Top w0.203: v1(36.775,15.343) 36.775,15.368 36.85,15.443 37.255,15.038 37.255,14.121 36.95,13.816 U1.18@36.95,13.015
  PWR w0.203: JP2.9@24.13,1.27 23.04,2.36 23.04,2.447 22.618,2.869 22.215,2.869 21.867,3.217 21.867,3.333 20.056,5.144 13.953,5.144 13.808,4.999 13.392,4.999 13.099,5.292 13.099,5.935 12.517,6.517 10.477,6.517 5.767,11.227 5.767,14.158 6.643,15.035 16.753,15.035 17.101,14.687 18.103,14.687 18.347,14.931 24.975,14.931 25.375,15.331 v1(25.425,15.331) ; v1(33.075,15.408) 33.11,15.443 36.675,15.443 v1(36.775,15.343)
  MID w0.203: v1(25.425,15.331) 32.406,15.331 32.483,15.408 v1(33.075,15.408)
AIN1_A7: JP2.11 U1.16 | length 21.5
  Top w0.203: v2(38.594,14.15) 38.95,13.794 U1.16@38.95,13.015
  MID w0.203: JP2.11@29.21,1.27 30.277,2.337 32.192,2.337 33.05,1.479 v2(33.05,1.475)
  Bottom w0.203: v2(33.05,1.475) 33.05,1.539 33.848,2.337 34.732,2.337 34.769,2.3 34.825,2.3 36.474,3.949 36.474,9.478 37.286,10.29 37.286,11.736 38.594,13.043 v2(38.594,14.15)
AIN2_A1: JP2.5 U1.27 | length 20.8
  Top w0.203: v2(29.985,10.015) 30.025,9.975 U1.27@30.025,9.89
  Bottom w0.203: JP2.5@13.97,1.27 15.062,2.362 18.038,2.362 18.782,3.106 19.443,3.106 21.702,5.365 27.101,5.365 29.209,7.474 29.209,8.991 29.985,9.766 v2(29.985,10.015)
AIN3_A0: JP2.4 U1.25 | length 33.6
  Top w0.203: v2(29.15,13.65) 29.315,13.65 U1.25@29.95,13.015
  MID w0.203: v2(11.05,5.075) 11.425,5.075 11.425,5.8 11.2,6.025 11.2,9.409 10.569,10.04 10.569,10.46 10.909,10.8 13.065,10.8 13.396,10.468 15.136,10.468 16.854,8.75 v2(17.025,8.75)
  Bottom w0.203: v2(11.05,5.075) 11.681,4.443 11.681,3.29 11.43,3.039 JP2.4@11.43,1.27 ; v2(17.025,8.75) 17.025,8.984 17.808,9.767 17.87,9.767 17.94,9.837 18.36,9.837 18.43,9.767 19.88,9.767 20.075,9.962 21.121,9.962 21.34,9.744 22.16,9.744 22.481,10.065 22.481,10.231 24.575,12.325 27.975,12.325 28.3,12.65 28.3,13.025 28.925,13.65 v2(29.15,13.65)
AIN4_A6: JP2.10 U1.17 | length 19.9
  Top w0.203: v2(37.937,14.175) 37.95,14.163 U1.17@37.95,13.015
  Bottom w0.203: JP2.10@26.67,1.27 27.058,1.27 30.658,4.87 30.658,5.699 34.316,9.358 35.779,9.358 35.922,9.5 36.017,9.5 36.017,9.596 36.88,10.458 36.88,12.013 37.937,13.071 v2(37.937,14.175)
AIN5_A3: JP2.7 U1.23 | length 23.1
  Top w0.203: U1.23@31.95,13.015 v2(31.95,13.9)
  Bottom w0.203: JP2.7@19.05,1.27 19.05,1.564 20.979,3.493 20.993,3.493 21.4,3.9 26.328,3.9 26.88,4.451 27.395,4.451 28.697,5.753 28.697,5.806 30.155,7.264 30.499,7.264 30.792,7.558 30.792,7.958 31.788,8.954 32.188,8.954 32.675,9.441 32.675,10.419 32,11.094 32,13.85 v2(31.95,13.9)
AIN6_A2: JP2.6 U1.24 | length 24.1
  Top w0.203: U1.24@30.95,13.015 30.95,13.6 v2(31.225,13.875)
  Bottom w0.203: JP2.6@16.51,1.27 17.52,1.27 18.95,2.7 19.611,2.7 21.218,4.306 25.165,4.306 25.767,4.909 27.225,4.909 29.774,7.458 29.774,8.105 30.944,9.275 30.944,10.774 31.594,11.424 31.594,13.506 v2(31.225,13.875)
AIN7_A4/SDA: JP2.8 U1.20 | length 57.3
  Top w0.203: v1(33.627,14.902) 33.66,14.902 34.605,13.958 34.605,13.36 U1.20@34.95,13.015
  PWR w0.203: JP2.8@21.59,1.27 21.59,1.387 20.646,2.331 20.646,3.963 19.872,4.738 14.121,4.738 13.976,4.592 13.067,4.592 13.028,4.553 12.692,4.889 12.692,5.767 12.386,6.074 10.346,6.074 5.361,11.059 5.361,14.327 6.475,15.441 16.947,15.441 17.294,15.094 17.935,15.094 18.179,15.338 18.95,15.338 24.275,15.338 24.467,15.338 24.989,15.861 25.811,15.861 26.333,15.338 26.525,15.338 26.55,15.363 32.391,15.363 32.852,14.902 v1(33.627,14.902)
APDS_PWR: U1.50 | length 0.2
  Top w0.203: U1.50@28.681,9.754 28.681,9.772 U1.50@28.8,9.89
AREF: JP2.3
D2: JP3.5 U1.39 | length 10.9
  Top w0.203: v2(34.7,11.088) v2(34.7,11.088) 34.699,11.64 U1.39@34.85,11.64
  Bottom w0.203: JP3.5@29.21,16.51 30.308,15.412 32.288,15.412 32.79,15.915 33.33,15.915 34.133,15.111 34.133,13.679 34.7,13.112 v2(34.7,11.088)
D3~: JP3.6 U1.21 | length 9
  Top w0.203: JP3.6@26.67,16.51 27.949,15.231 32.132,15.231 33.95,13.412 U1.21@33.95,13.015
D4: JP3.7 U1.40 | length 14.4
  Top w0.203: v2(33.125,10.813) 33.15,10.787 33.15,11.09 U1.40@33.7,11.64
  Bottom w0.203: JP3.7@24.13,16.51 25.155,16.51 26.665,15 32.238,15 33.125,14.113 v2(33.125,10.813)
D5~: JP3.8 U1.22 | length 13.4
  Top w0.203: JP3.8@21.59,16.51 22.24,16.51 23.925,14.825 31.963,14.825 33.025,13.762 33.025,13.09 U1.22@32.95,13.015
D6~: JP3.9 U1.41 | length 18
  Top w0.203: U1.41@32.55,11.64 32.488,11.578 32.488,11.284 32.541,11.338 v2(32.616,11.263)
  Bottom w0.203: JP3.9@19.05,16.51 19.15,16.51 21.066,14.594 32.062,14.594 32.619,14.038 32.619,11.213 32.616,11.213 v2(32.616,11.263)
D7: JP3.10 SJ2.2 U1.47 | length 16.3
  Top w0.203: v1(28.415,13.994) 28.6,13.808 28.6,13.09 U1.47@28.8,12.89
  Bottom w0.203: SJ2.2@16.5,15.012 16.5,16.5 JP3.10@16.51,16.51 17.531,16.51 19.421,14.62 19.673,14.62 20.475,13.819 20.475,13.815 20.772,13.519 21.191,13.519 21.841,14.169 28.24,14.169 v1(28.415,13.994)
D8: JP3.11 SJ3.2 U1.48 | length 27.1
  Top w0.203: 27.791,12.741 v1(27.791,12.966) ; 27.792,12.742 28.649,11.885 28.795,11.885 U1.48@28.8,11.89
  Bottom w0.203: JP3.11@13.97,16.51 13.975,16.505 SJ3.2@13.975,15.012 13.34,14.377 13.049,14.377 12.87,14.198 12.87,12.458 15.628,9.7 17.166,9.7 17.984,10.518 ; 17.984,10.519 18.03,10.565 18.03,10.984 17.901,11.113 17.901,12.058 17.605,12.354 17.605,13.205 18.206,13.806 19.869,13.806 20.563,13.112 21.36,13.112 22.01,13.762 26.995,13.762 v1(27.791,12.966)